# Altium PCB BRG_Daughter_Single.PcbDoc (part 1 of 2)
Units mil, origin at the board's own origin, x right, y up, seen from the top; angles counter-clockwise.
Board outline 3325 x 3080 mil, 4 copper layers (TOP, GND, PWR, BOT), stack 62.731 mil thick; 19 components, 38 nets, 170 pads, 89 vias.
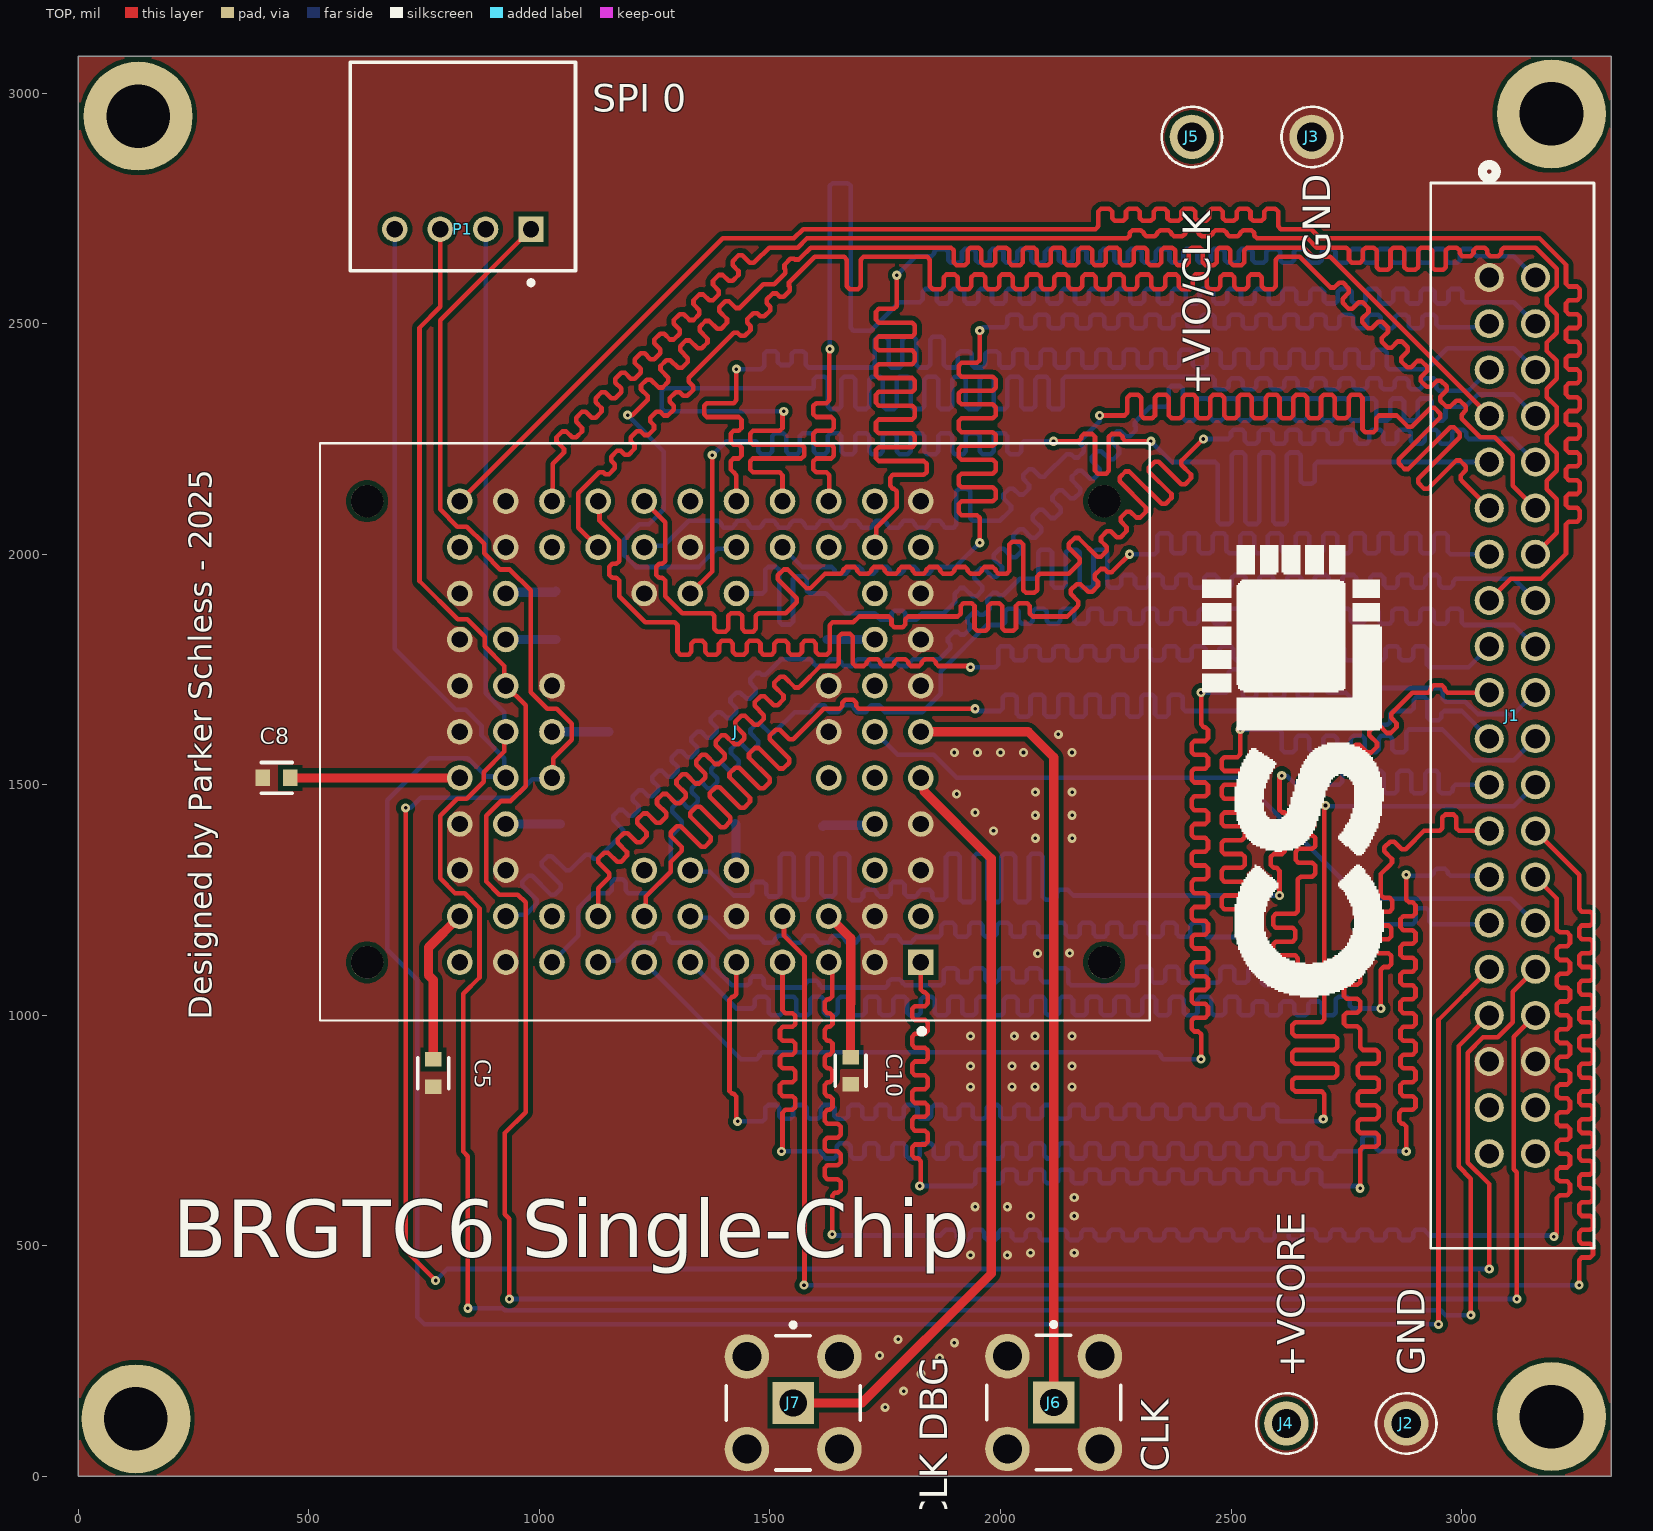
[diagram p0: TOP view]
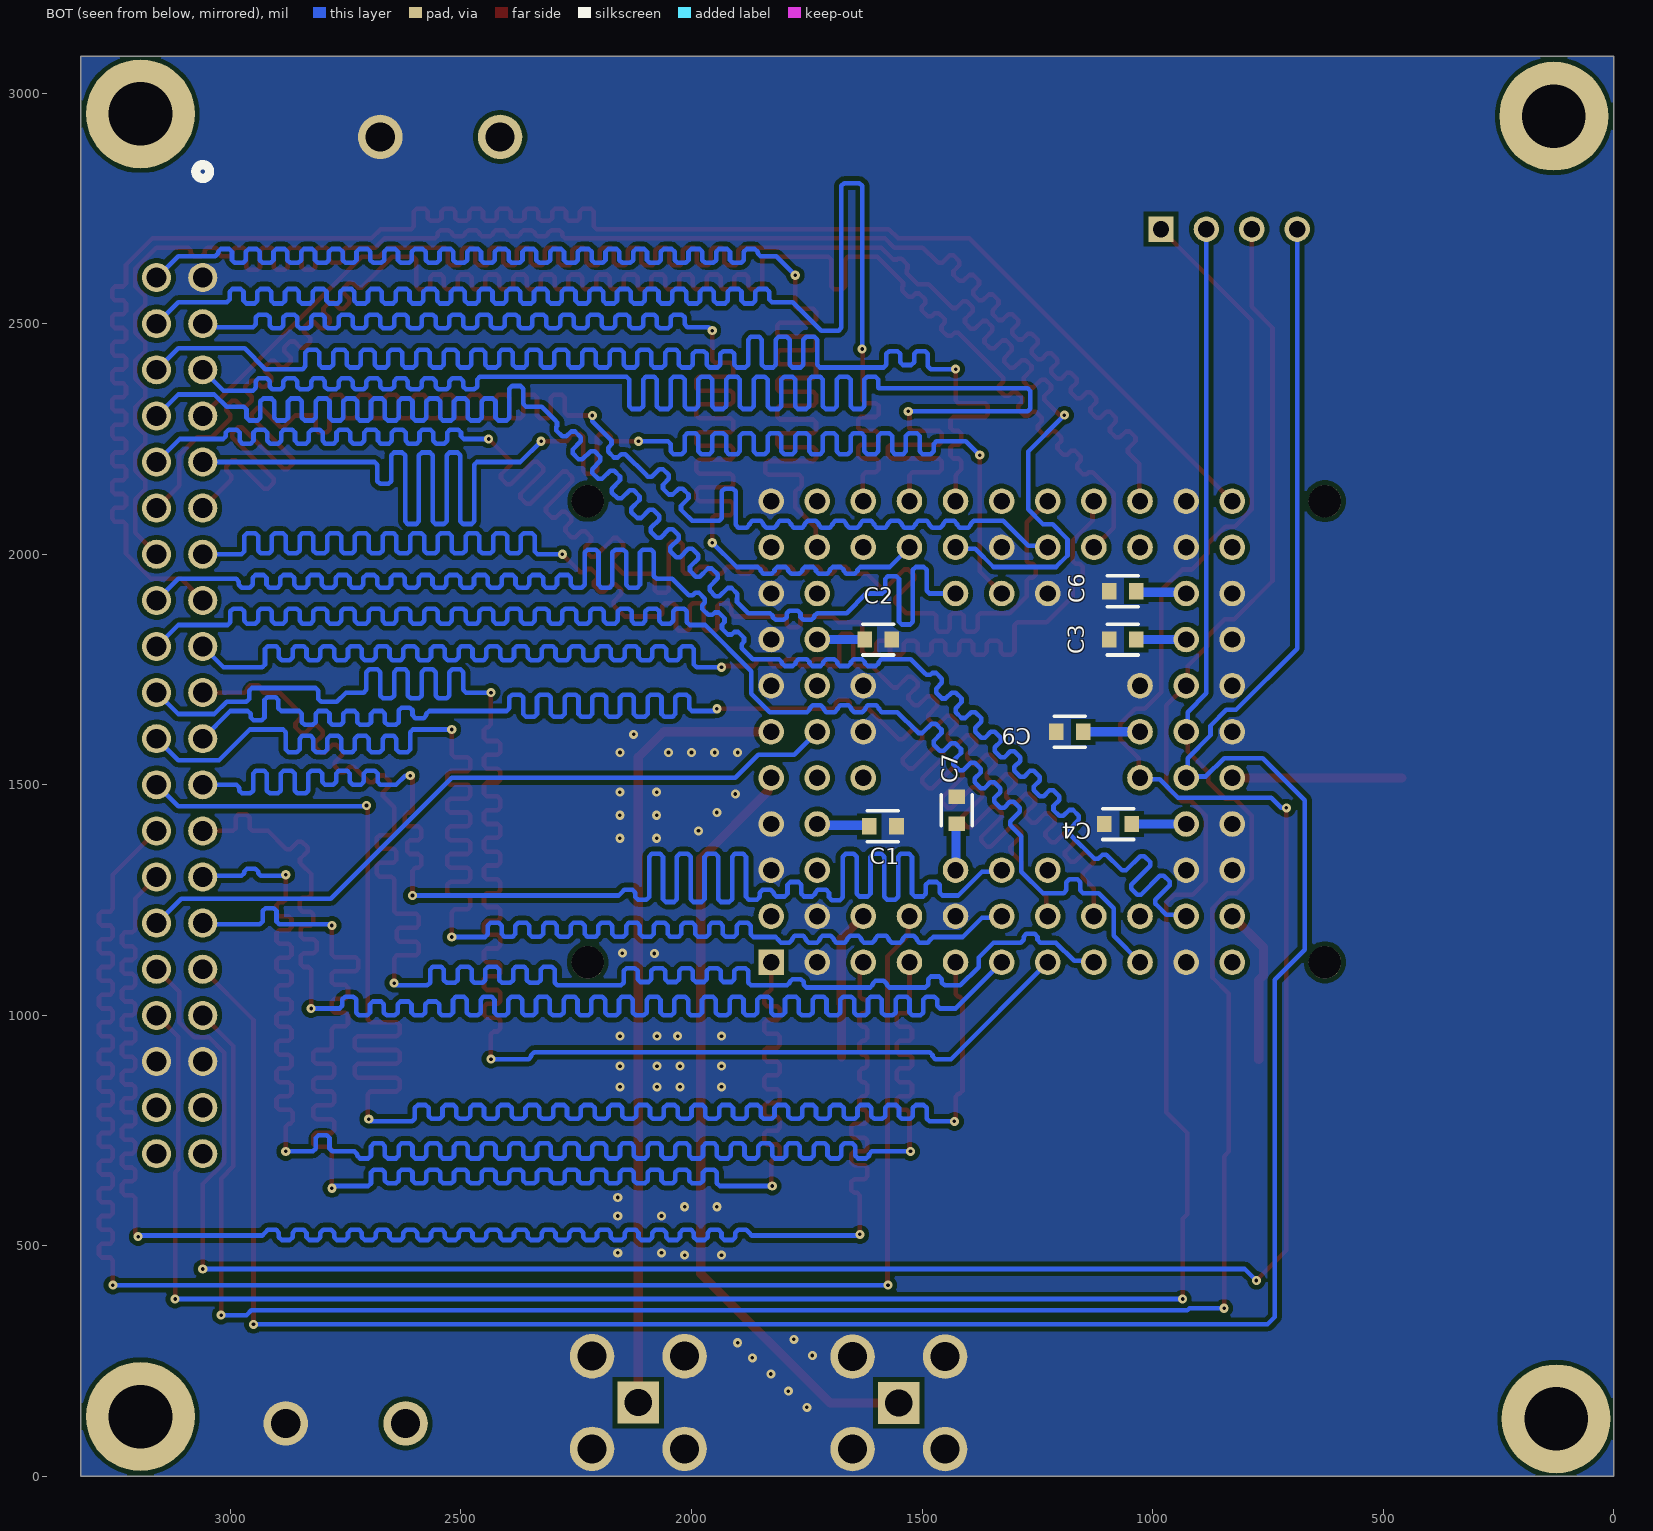
[diagram p1: BOT view, seen from below]
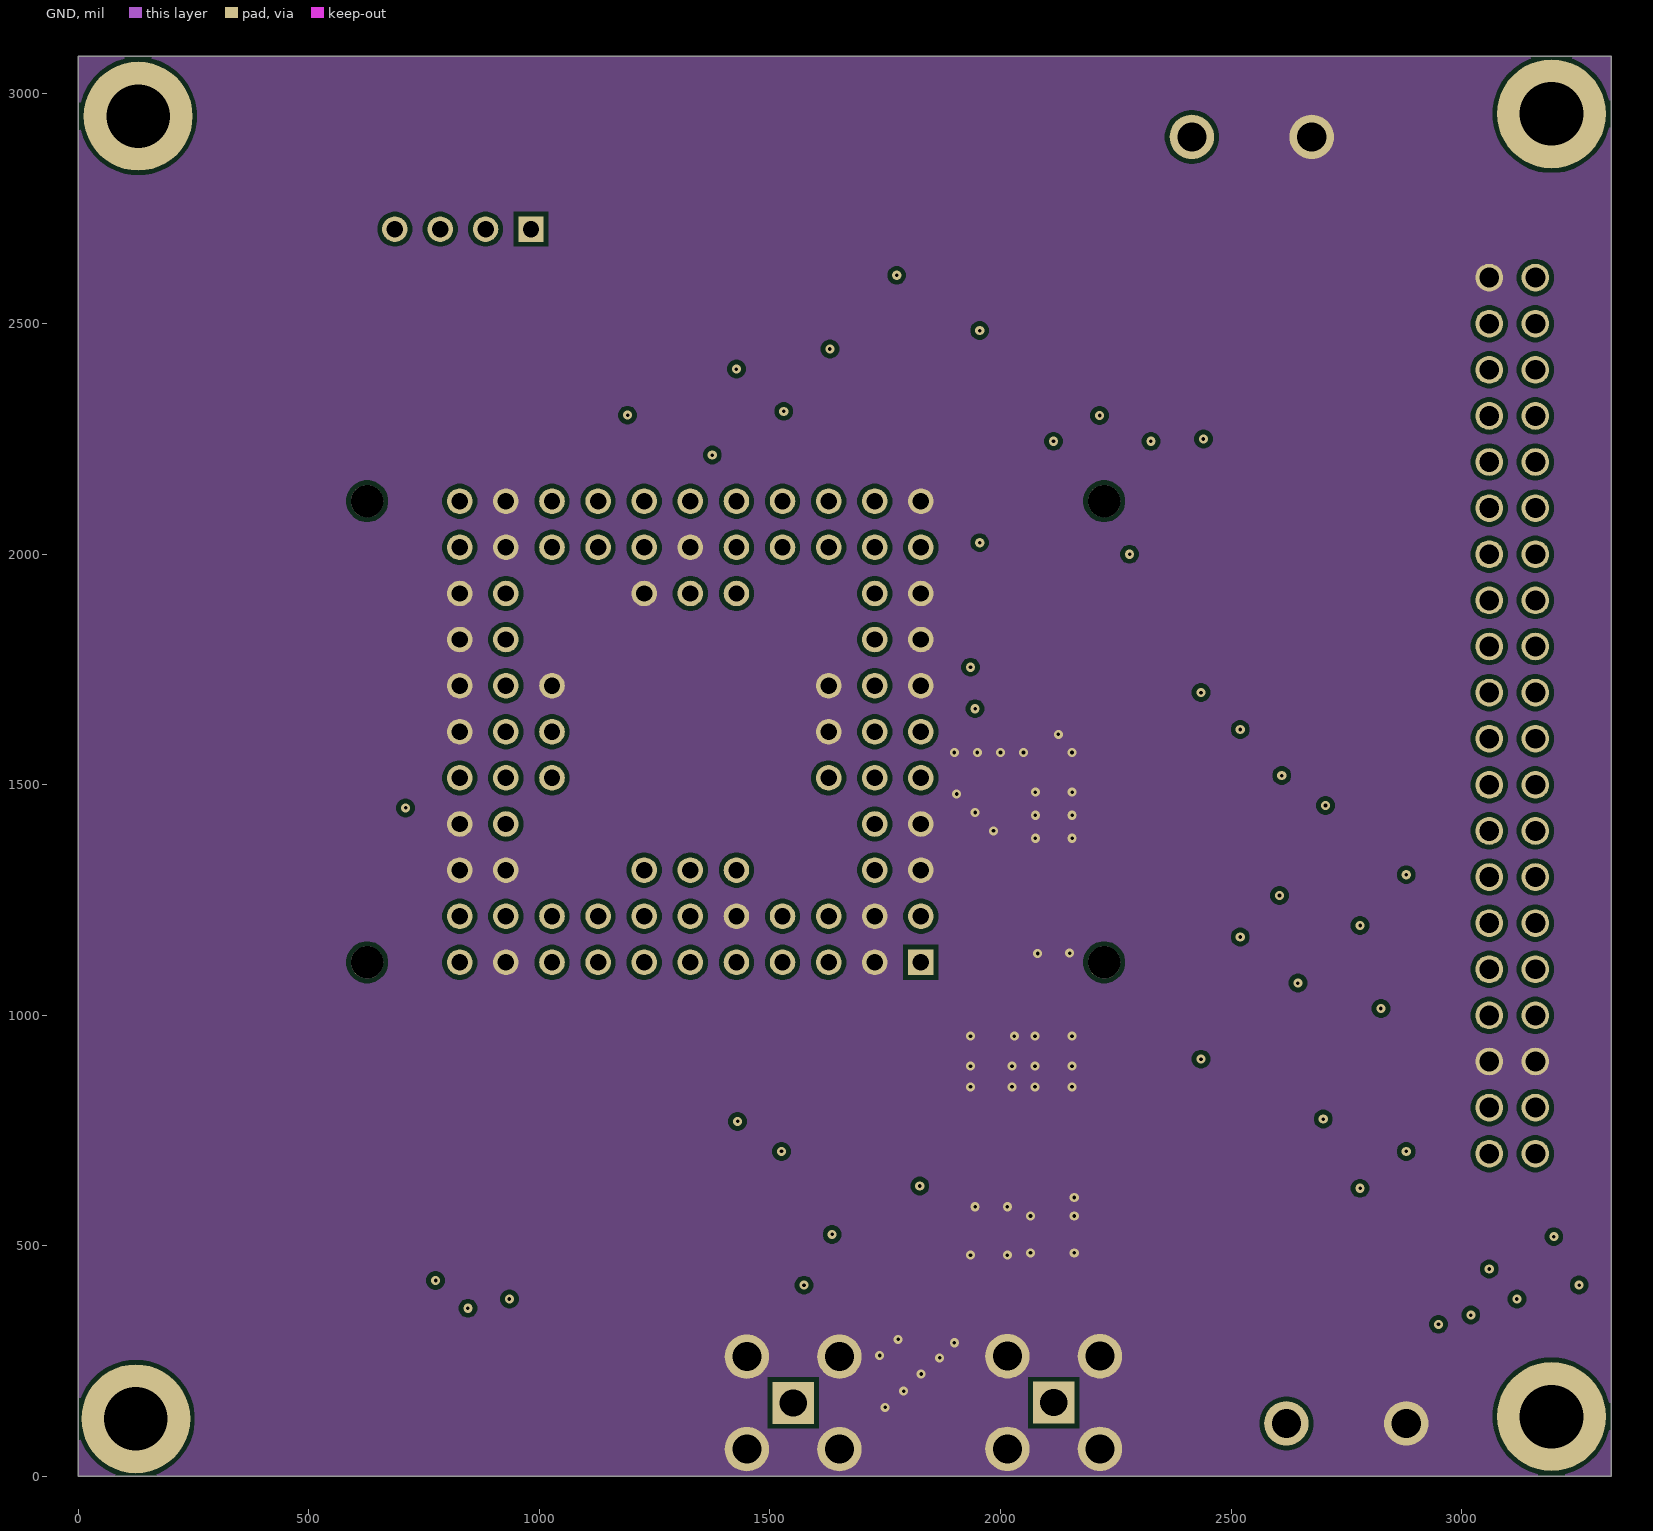
[diagram p2: GND]
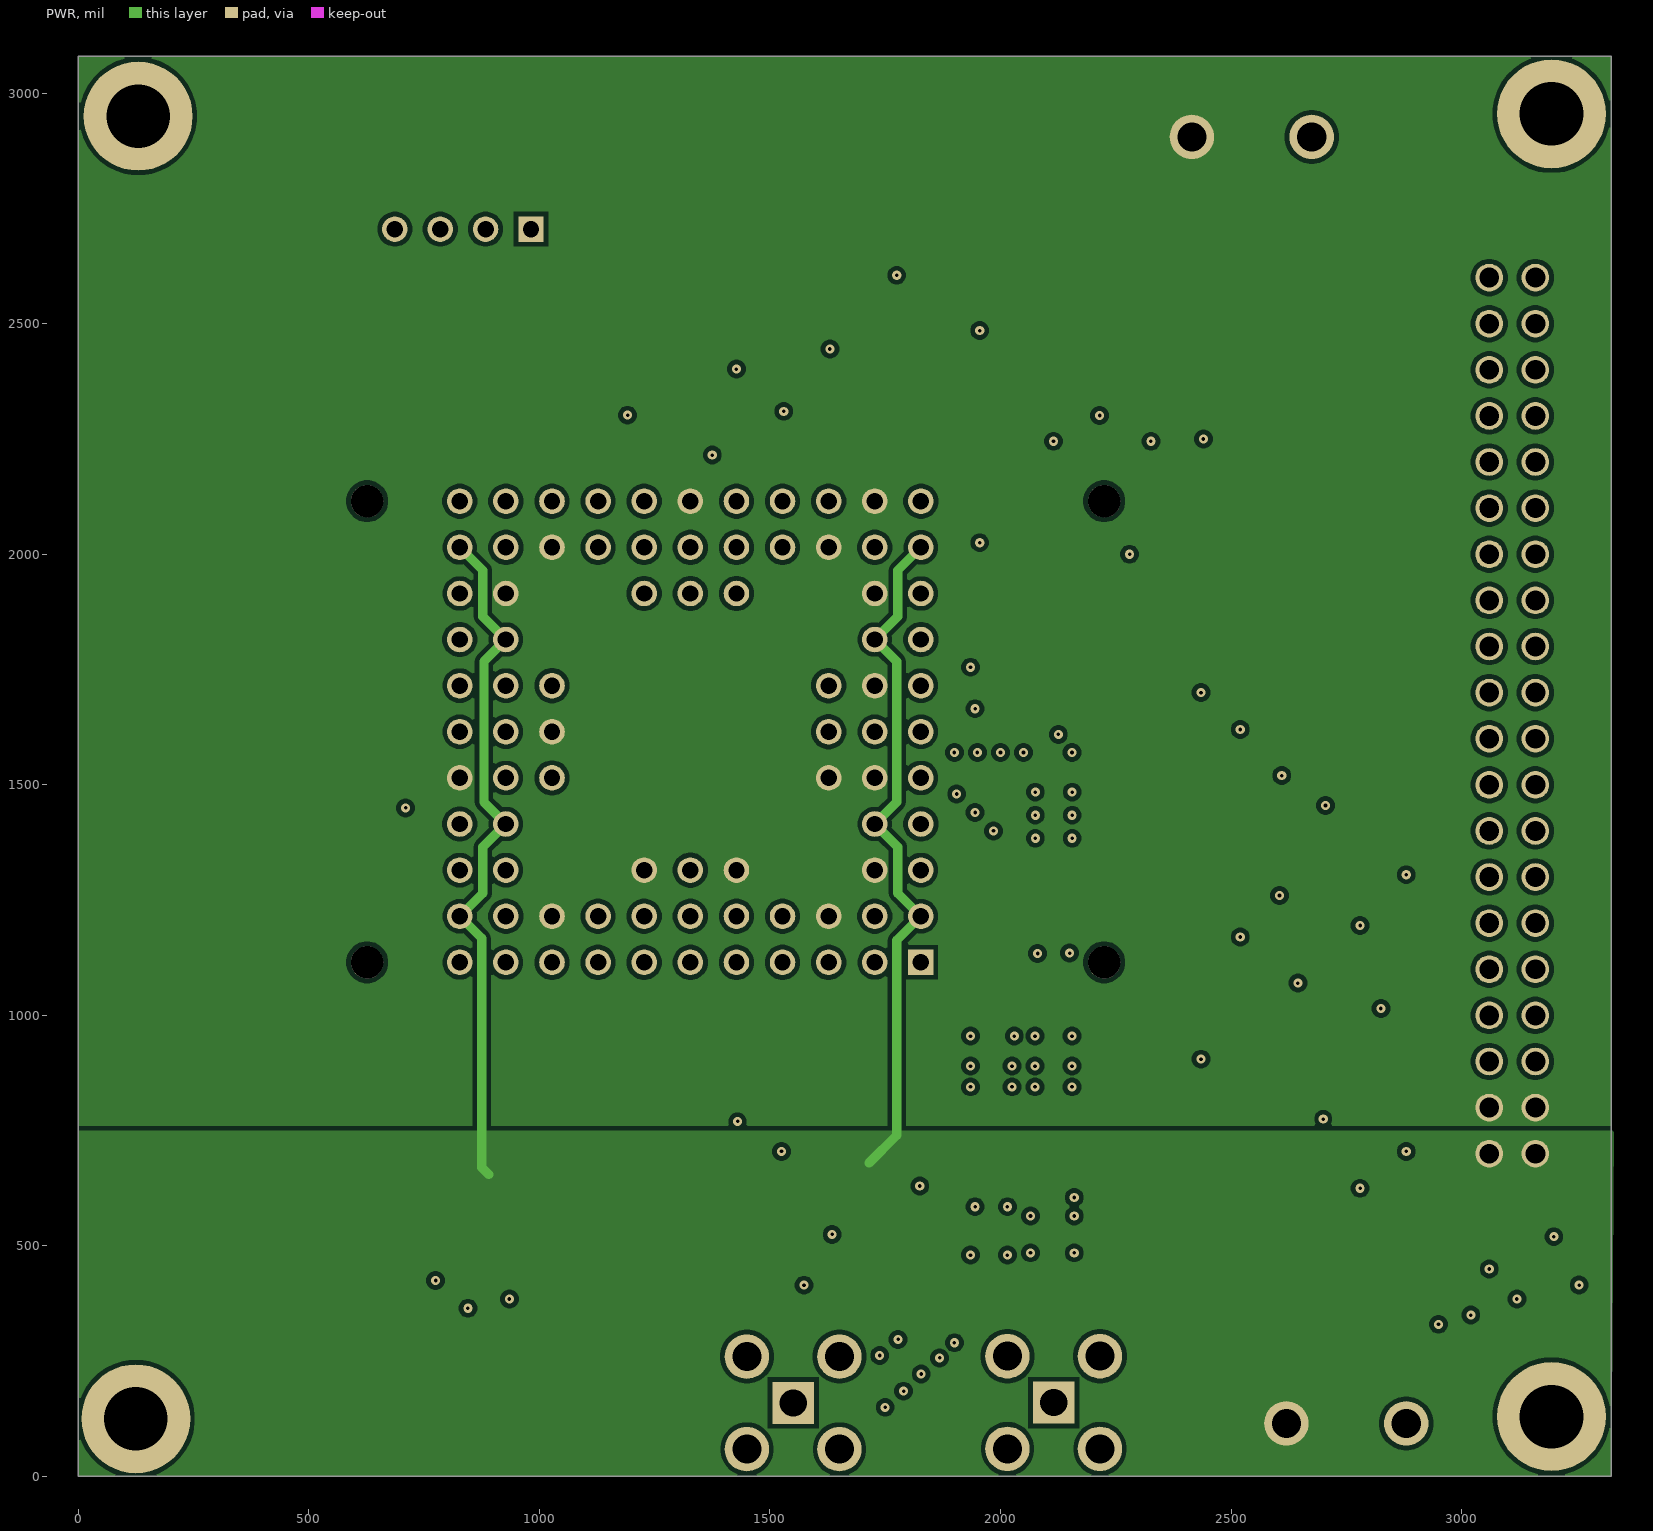
[diagram p3: PWR]
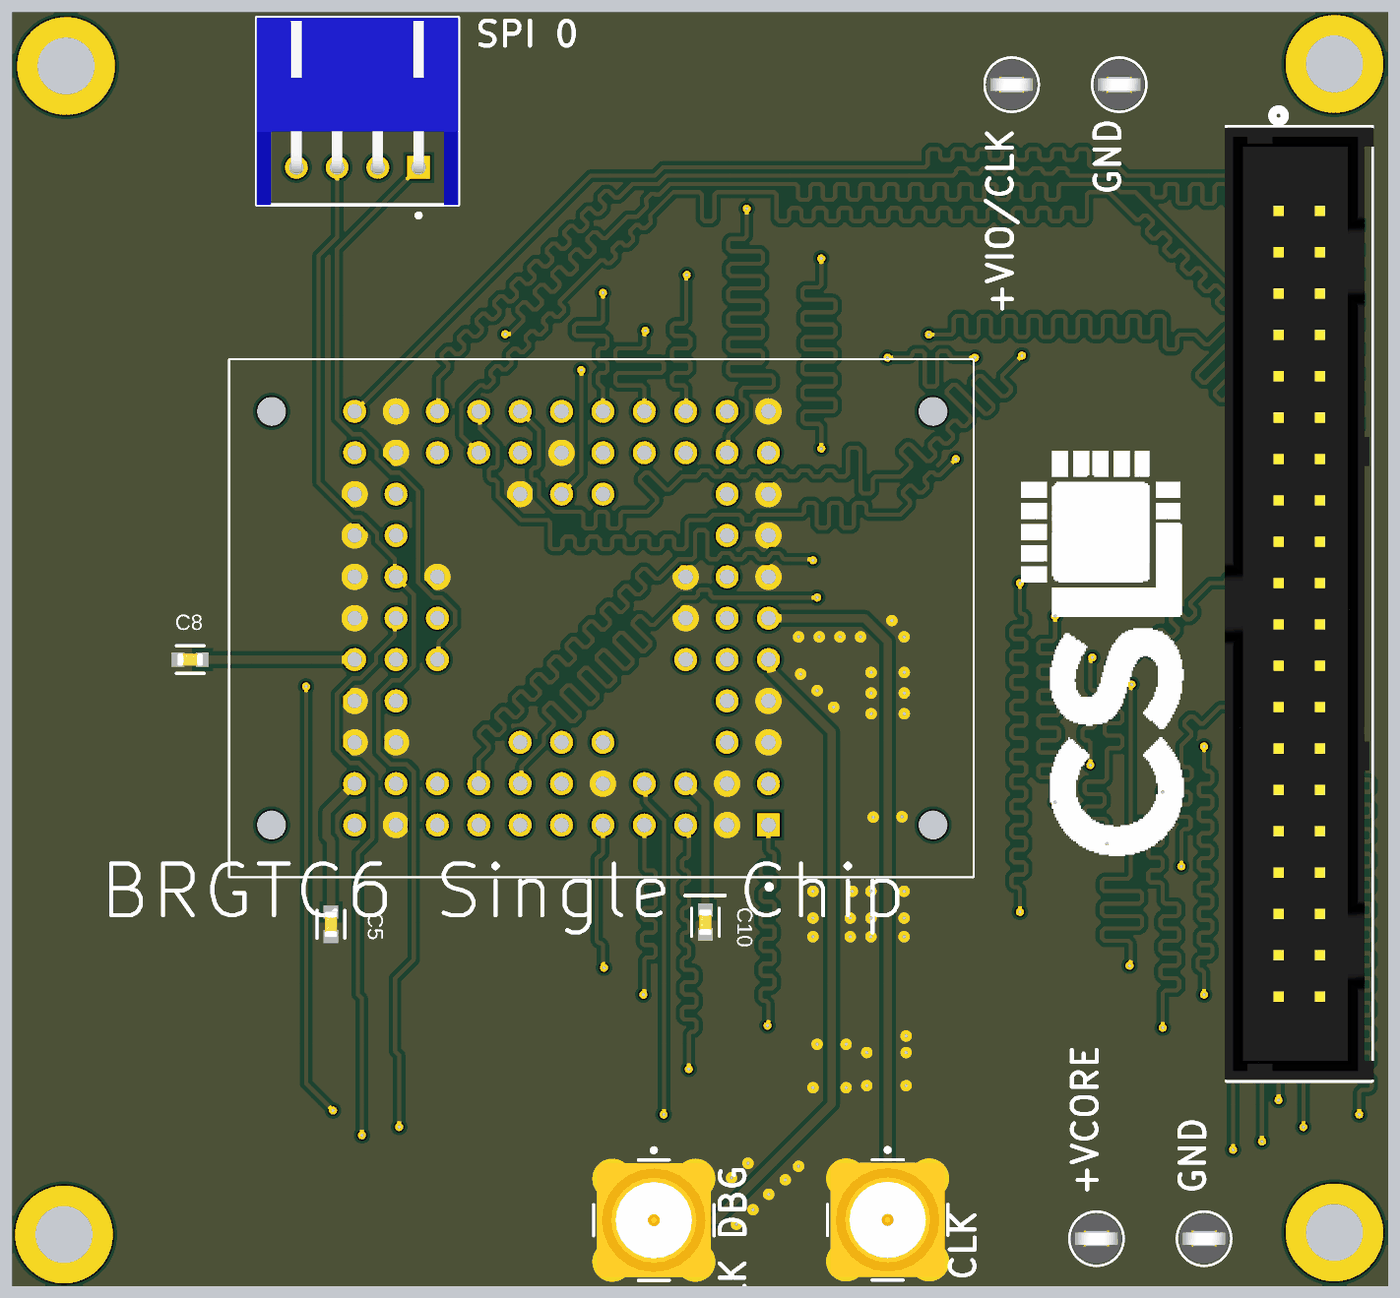
[diagram p5: 3D render of the assembled board from above, using the file's embedded part models]
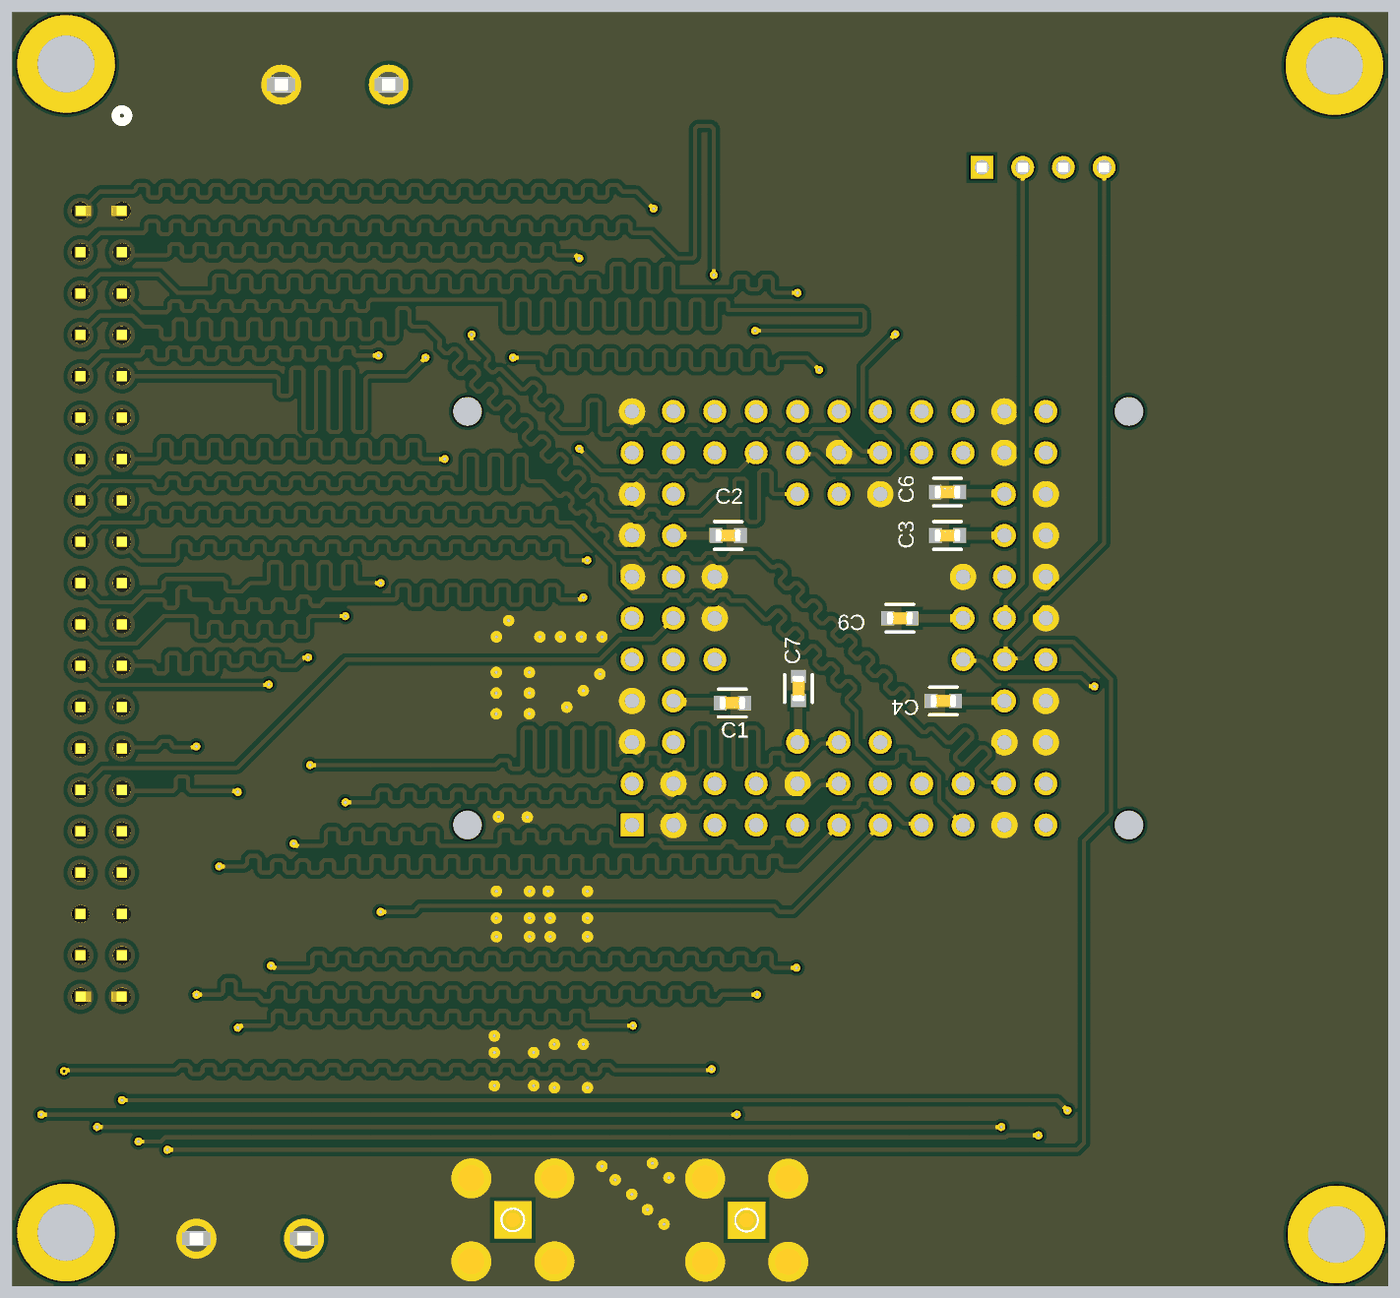
[diagram p6: 3D render of the assembled board from below, using the file's embedded part models]

## Layer stack, top to bottom
Top Solder: solder mask 0.3941, Solder Resist, Dk 3.3
TOP: signal copper 1.378
Dielectric 2: prepreg 4.2, PP-014, Dk 4.2
GND: signal copper 1.378
Dielectric 1: core 48.8189, FR-4, Dk 4
PWR: signal copper 1.378
Dielectric 3: prepreg 4.2, PP-014, Dk 4.2
BOT: signal copper 1.378
Bottom Solder: solder mask 0.3941, Solder Resist, Dk 3.3

## Board outline
0,0 0,3080 3325,3080 3325,0

## Design rules (kind name [scope] priority, off if disabled: settings)
Clearance [All] p1: gap=10 ignorepadtopadclearanceinfootprint=FALSE
HoleSize [All] p1: absolutevalues=TRUE maxlimit=150 minlimit=1 maxpercent=80.000 minpercent=20.000
MatchedLengths MatchedLengths-Credit [InNetClass('Credit')] p1: tolerance=1000 checknetsindiffpair=FALSE checkdiffpairvsdiffpair=TRUE checkxsignals=TRUE checkothers=TRUE usedelayunits=TRUE delaytolerance=100.000000
PolygonConnect [All] p1: connectstyle=Direct reliefconductorwidth=10 reliefentries=4 polygonreliefangle="90 Angle" airgapwidth=10
RoutingVias [All] p1: holewidth=28 width=50 viastyle="Through Hole" minholewidth=28 minwidth=50 maxholewidth=28 maxwidth=50
SolderMaskExpansion [All] p1: expansion=4 istentingtop=FALSE
SupplyNets "Schematic Supply Nets_2" [InNet('+VIO/CLK')] p1: voltage=0.000
SupplyNets "Schematic Supply Nets_1" [InNet('+VCORE')] p2: voltage=0.000
SupplyNets "Schematic Supply Nets" [InNet('GND')] p3: voltage=0.000
Width [All] p1: maxlimit=20 minlimit=10 preferedwidth=10 minimp=50.000000 maximp=50.000000 favimp=50.000000
29 further rules are at their usual default settings.

## Components (designator, comment, footprint, x,y, rotation, side; value= is the part's Value field where it differs from the comment)
C1 "VJ0603Y101KXACW1BC" FP-CC0603-DA-MFG 1585,1410 r180 bottom value="100 nF"
C2 "VJ0603Y101KXACW1BC" FP-CC0603-DA-MFG 1595,1815 r180 bottom value="100 nF"
C3 "VJ0603Y101KXACW1BC" FP-CC0603-DA-MFG 1065,1815 r0 bottom value="100 nF"
C4 "VJ0603Y101KXACW1BC" FP-CC0603-DA-MFG 1075,1415 r0 bottom value="100 nF"
C5 "VJ0603Y101KXACW1BC" FP-CC0603-DA-MFG 770,875 r270 top value="100 nF"
C6 "VJ0603Y101KXACW1BC" FP-CC0603-DA-MFG 1065,1920 r0 bottom value="100 nF"
C7 "VJ0603Y101KXACW1BC" FP-CC0603-DA-MFG 1425,1445 r90 bottom value="100 nF"
C8 "VJ0603Y101KXACW1BC" FP-CC0603-DA-MFG 430,1515 r180 top value="100 nF"
C9 "VJ0603Y101KXACW1BC" FP-CC0603-DA-MFG 1180,1615 r0 bottom value="100 nF"
C10 "VJ0603Y101KXACW1BC" FP-CC0603-DA-MFG 1675,880 r270 top value="100 nF"
J "BRGTC6" 3M_200-6311-9UN-1900 1423.82,1615 r180 top
J1 "3020-40-0100-00" CONN_3020-40-0100-00_CNC 3060,2600 r270 top
J2 "5006" FP-5006-MFG 2880,115 r0 top
J3 "5006" FP-5006-MFG 2675,2905 r0 top
J4 "5006" FP-5006-MFG 2620,115 r0 top
J5 "5006" FP-5006-MFG 2415,2905 r0 top
J6 "RF2-04A-T-00-50-G" FP-RF2-04A-T-00-50-G-MFG 2115.39,160.39 r270 top
J7 "RF2-04A-T-00-50-G" FP-RF2-04A-T-00-50-G-MFG 1550.39,159.61 r270 top
P1 "S4B-XH-A(LF)(SN)" JST-S4B-XH-A(LF)(SN)_V 834.21,2705 r180 top

## Footprints (in the part's own frame and the unit in brackets; to place one, negate y for a bottom-side part, rotate by r counter-clockwise, add the part's x,y. Pads: shape width x height; smd on the part's side, far side on the other; paste and mask are expansions set on the pad)
3M_200-6311-9UN-1900 [mm]
  rect 1.408x1.408 hole 0.9: A1(-10.25,12.7)
  round 1.408 hole 0.9: A2(-7.71,12.7) A3(-5.17,12.7) A4(-2.63,12.7) A5(-0.09,12.7) A6(2.45,12.7) A7(4.99,12.7) A8(7.53,12.7) A9(10.07,12.7) A10(12.61,12.7) A11(15.15,12.7) B1(-10.25,10.16) B2(-7.71,10.16) B3(-5.17,10.16) B4(-2.63,10.16) B5(-0.09,10.16) B6(2.45,10.16) B7(4.99,10.16) B8(7.53,10.16) B9(10.07,10.16) B10(12.61,10.16) B11(15.15,10.16) C1(-10.25,7.62) C2(-7.71,7.62) C5(-0.09,7.62) C6(2.45,7.62) C7(4.99,7.62) C10(12.61,7.62) C11(15.15,7.62) D1(-10.25,5.08) D2(-7.71,5.08) D10(12.61,5.08) D11(15.15,5.08) E1(-10.25,2.54) E2(-7.71,2.54) E3(-5.17,2.54) E9(10.07,2.54) E10(12.61,2.54) E11(15.15,2.54) F1(-10.25,0) F2(-7.71,0) F3(-5.17,0) F9(10.07,0) F10(12.61,0) F11(15.15,0) G1(-10.25,-2.54) G2(-7.71,-2.54) G3(-5.17,-2.54) G9(10.07,-2.54) G10(12.61,-2.54) G11(15.15,-2.54) H1(-10.25,-5.08) H2(-7.71,-5.08) H10(12.61,-5.08) H11(15.15,-5.08) J1(-10.25,-7.62) J2(-7.71,-7.62) J5(-0.09,-7.62) J6(2.45,-7.62) J7(4.99,-7.62) J10(12.61,-7.62) J11(15.15,-7.62) K1(-10.25,-10.16) K2(-7.71,-10.16) K3(-5.17,-10.16) K4(-2.63,-10.16) K5(-0.09,-10.16) K6(2.45,-10.16) K7(4.99,-10.16) K8(7.53,-10.16) K9(10.07,-10.16) K10(12.61,-10.16) K11(15.15,-10.16) L1(-10.25,-12.7) L2(-7.71,-12.7) L3(-5.17,-12.7) L4(-2.63,-12.7) L5(-0.09,-12.7) L6(2.45,-12.7) L7(4.99,-12.7) L8(7.53,-12.7) L9(10.07,-12.7) L10(12.61,-12.7) L11(15.15,-12.7)
  round 1.78 hole 1.78 unplated: ""(-20.35,12.7) ""(-20.35,-12.7) ""(20.25,12.7) ""(20.25,-12.7)
  silkscreen extent -22.85,-15.9 22.85,16.64
CONN_3020-40-0100-00_CNC [mil]
  round 63 / inner round 60 / far side round 63 hole 43 paste-99999 mask-31.5: 1(0,0) 2(0,100) 3(100,0) 4(100,100) 5(200,0) 6(200,100) 7(300,0) 8(300,100) 9(400,0) 10(400,100) 11(500,0) 12(500,100) 13(600,0) 14(600,100) 15(700,0) 16(700,100) 17(800,0) 18(800,100) 19(900,0) 20(900,100) 21(1000,0) 22(1000,100) 23(1100,0) 24(1100,100) 25(1200,0) 26(1200,100) 27(1300,0) 28(1300,100) 29(1400,0) 30(1400,100) 31(1500,0) 32(1500,100) 33(1600,0) 34(1600,100) 35(1700,0) 36(1700,100) 37(1800,0) 38(1800,100) 39(1900,0) 40(1900,100)
  silkscreen extent -245,-127 2105,227, body extent -200,-130 2100,230, height 390
FP-5006-MFG [mm]
  round 2.45 hole 1.6 paste-2539.97 mask+0: 1(0,0)
  silkscreen extent -1.66,-1.66 1.67,1.66, body extent -1.77,-1.77 1.77,1.77, height 0.25
FP-CC0603-DA-MFG [mm]
  rect 0.8x0.9 smd paste+0 mask+0: 1(-0.75,0) 2(0.75,0)
  silkscreen extent -0.85,-0.85 0.85,0.85, body extent -0.8,-0.4 0.8,0.4, height 0.9
FP-RF2-04A-T-00-50-G-MFG [mm]
  rect 2.3x2.3 hole 1.5 paste-2539.97 mask+0: 1(0,0)
  round 2.45 hole 1.6 paste-2539.97 mask+0: 2(-2.55,2.55) 3(2.55,2.55) 4(-2.55,-2.55) 5(2.55,-2.55)
  silkscreen extent -4.42,-3.7 3.7,3.7, body extent -3.88,-3.88 3.88,3.88, height 0.25
JST-S4B-XH-A(LF)(SN)_V [mm] "Header, 4-Leads, Body 12.4x11.5mm, Pitch 2.5mm"
  rect 1.4x1.4 hole 0.9: 1(-3.75,0)
  round 1.4 hole 0.9: 2(-1.25,0) 3(1.25,0) 4(3.75,0)
  silkscreen extent -6.2,-9.2 6.2,3.08, body extent -6.2,-9.2 6.2,2.3, height 6.15

## Part data
C1 C2 C3 C4 C5 C6 C7 C8 C9 C10: library part CMP-2000-05002-2, "CAP CER 0.1UF 16V X7R 0603", Capacitance="100 nF", Manufacturer=YAGEO, Manufacturer Part Number=CC0603KRX7R7BB104, Package=CC0603-DA, Temperature="-55°C to +125°C", Temperature Characteristic=X7R, Temperature Coefficient=15%, Temperature Range High=+125°C, Temperature Range Low=-55°C, Tolerance=0.1, Voltage="16 V", Automotive=No, Category=Cap, ComponentLink2Description=Datasheet, ComponentLink2URL=http://www.yageo.com/documents/recent/UPY-GPHC_X7R_6.3V-to-50V_18.pdf, Device Class L1="Passive Components", Device Class L2=Capacitors, Device Class L3="Ceramic Capacitors", Digikey Description="CAP CER 0.1UF 16V X7R 0603", Footprint Url=http://www.yageo.com/exep/pages/download/literatures/UPY-C_GEN_24.pdf, Height=0.9mm, Lead Free=Yes, Material=Ceramic, Mouser Description="Multilayer Ceramic Capacitor, CC Series, 0.1 - F, - 10%, X7R, 16 V, 0603 [1608 Metric]", Octopart=https://octopart.com/cc0603krx7r7bb104-yageo-192941, RoHS=TRUE, Voltage Rating="16 V"
J: library part 200-6311-9UN-1900, "121 _11 x 11_ Pos PGA, ZIF _ZIP_ Socket Gold Through Hole", Package=None, Digi-Key_Part_Number=3M5067-ND, Digi-Key_Purchase_URL=https://www.digikey.com/product-detail/en/3m/200-6311-9UN-1900/3M5067-ND/1130121?utm_source=snapeda&utm_medium=aggregator&utm_campaign=symbol, MF=3M, MP=200-6311-9UN-1900, SnapEDA_Link=https://www.snapeda.com/parts/200-6311-9UN-1900/3M%20_TC_/view-part/159310/?ref=snap
J1: "No Description Available", Mfr_Name="CNC Tech", RefDes=RefDes, Type=Type
J2 J3 J4 J5: library part CMP-19636-000022-1, "PC TEST POINT COMPACT BLACK", Color=Black, Flammability Rating="UL94 V-0", Package Quantity=100, Body Material=Bronze, Contact Material=Bronze, Contact Plating=Tin, Height=0.35inch, Hole Diameter=1.6mm, Housing Color=Black, Inside Diameter=1.78mm, Insulation Material=Nylon, Lead Free="Lead Free", Length=8.89mm, Material=Nylon, Mount=PCB, Number of Ports=1, Orientation=Straight, Outside Diameter=3.18mm, Packaging=Bulk, Plating=Silver, REACH SVHC="No SVHC", RoHS Compliant=Yes, Series=THM
J6 J7: library part CMP-42753-000002-1, "CONN SMA JACK STR 50 OHM PCB"
P1: library part CMP-1755-00007-1, "Male Header, Pitch 2.5 mm, 1 x 4 Position, Height 6.1 mm, Tail Length 3.4 mm, -25 to 85 degC, RoHS, Bulk", ComponentLink1Description="Manufacturer URL", ComponentLink1URL=http://www.jst.com/home2.html, ComponentLink2Description=Datasheet, ComponentLink2URL=http://www.jst-mfg.com/product/pdf/eng/eXH.pdf, DatasheetVersion=May-16, PackageDescription="Male Header, Pitch 2.5 mm, 1 x 4 Position, Height 6.1 mm, Tail Length 3.4 mm", PackageReference=S4B-XH-A(LF)(SN)

## Free pads (board coordinates)
  round 236.22 hole 137.8: 2(125,125) 2(130,2950) 2(3195,130) 2(3195,2955)

## Via types
v1: diameter 19.68, hole 7.87, TOP to BOT, 89 vias
